# Allegro board AIC8800D80P_EVB_V2-PCB.brd (continued)
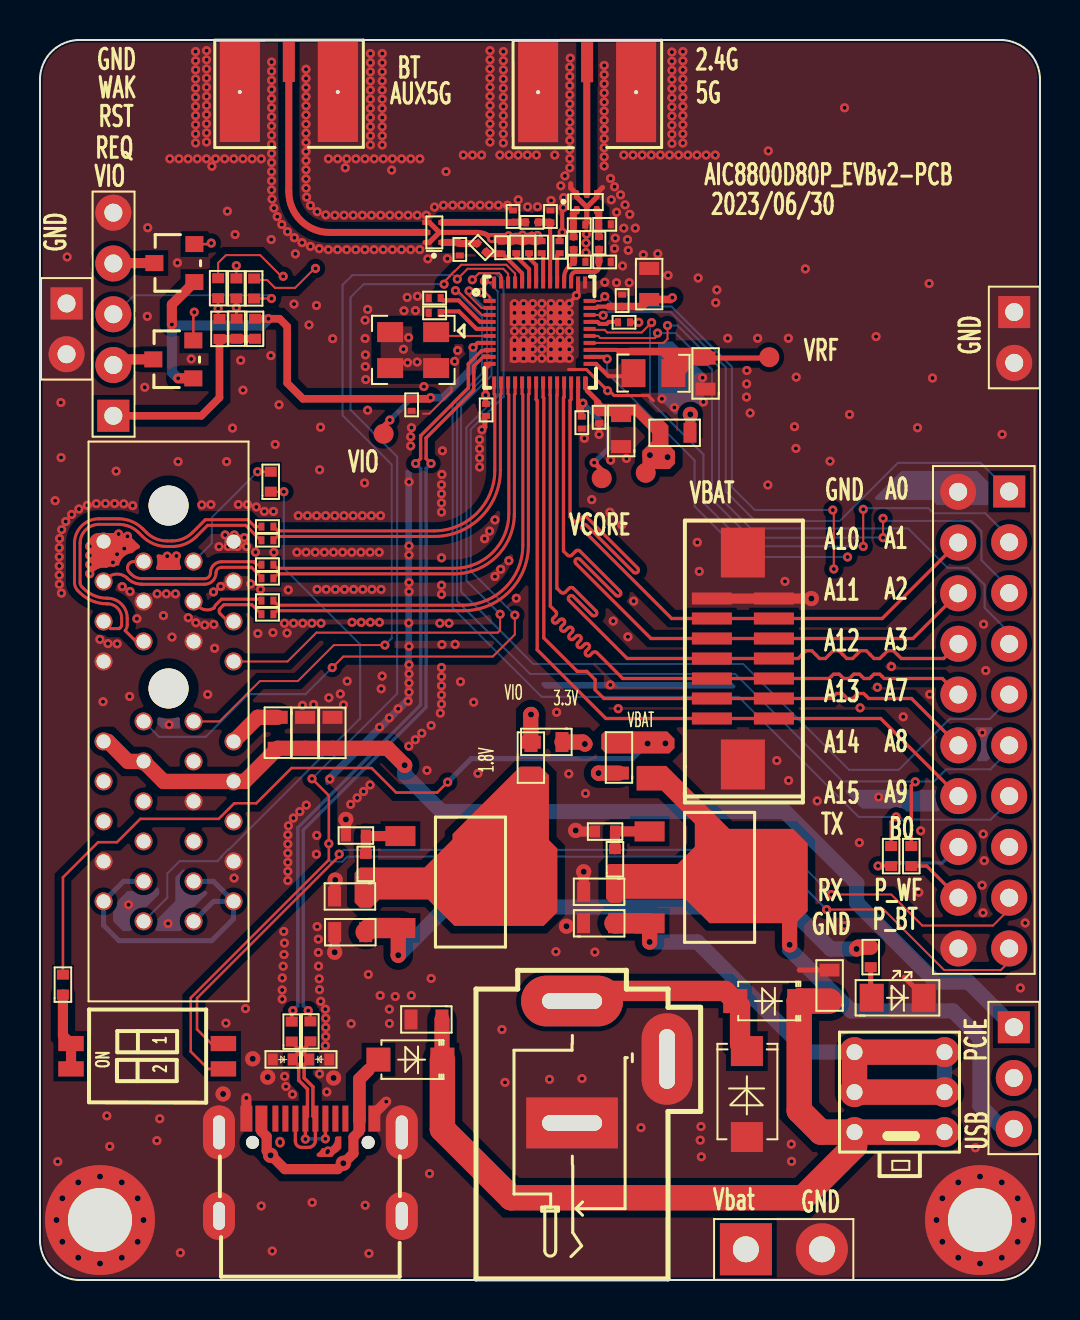
[diagram p0: board, top side]
## Text on the board (continued)
Ref Des/Silkscreen Top: VIO | 3.3V | VBAT | 1.8V | REQ | GND | WAK | RST | AUX5G | BT | VCORE | 2.4G | 5G | AIC8800D80P_EVBv2-PCB | 2023/06/30 | Vbat | VRF | RX | TX | A10 | A11 | A12 | A13 | A14 | A15 | P_BT | P_WF | A1 | A2 | A3 | A7 | A8 | A9 | A0 | B0 | PCIE | USB
NCLEGEND-1-4: FIGURE | SIZE | 7.874 | 8.0 | 12.0 | 25.591 | 27.559 | 31.496 | 35.433 | 51.181 | 125.984 | 92.52 | 55.118x23.622 | 66.929x23.622 | 118.11x31.496 | DRILL CHART: TOP to BOTTOM | ALL UNITS ARE IN MILS | PLATED | NON-PLATED | QTY | 4 | 724 | 24 | 20 | 2 | 36 | 6 | 25 | 1
